# KiCad board data-center-dram-tester.kicad_pcb (continued)
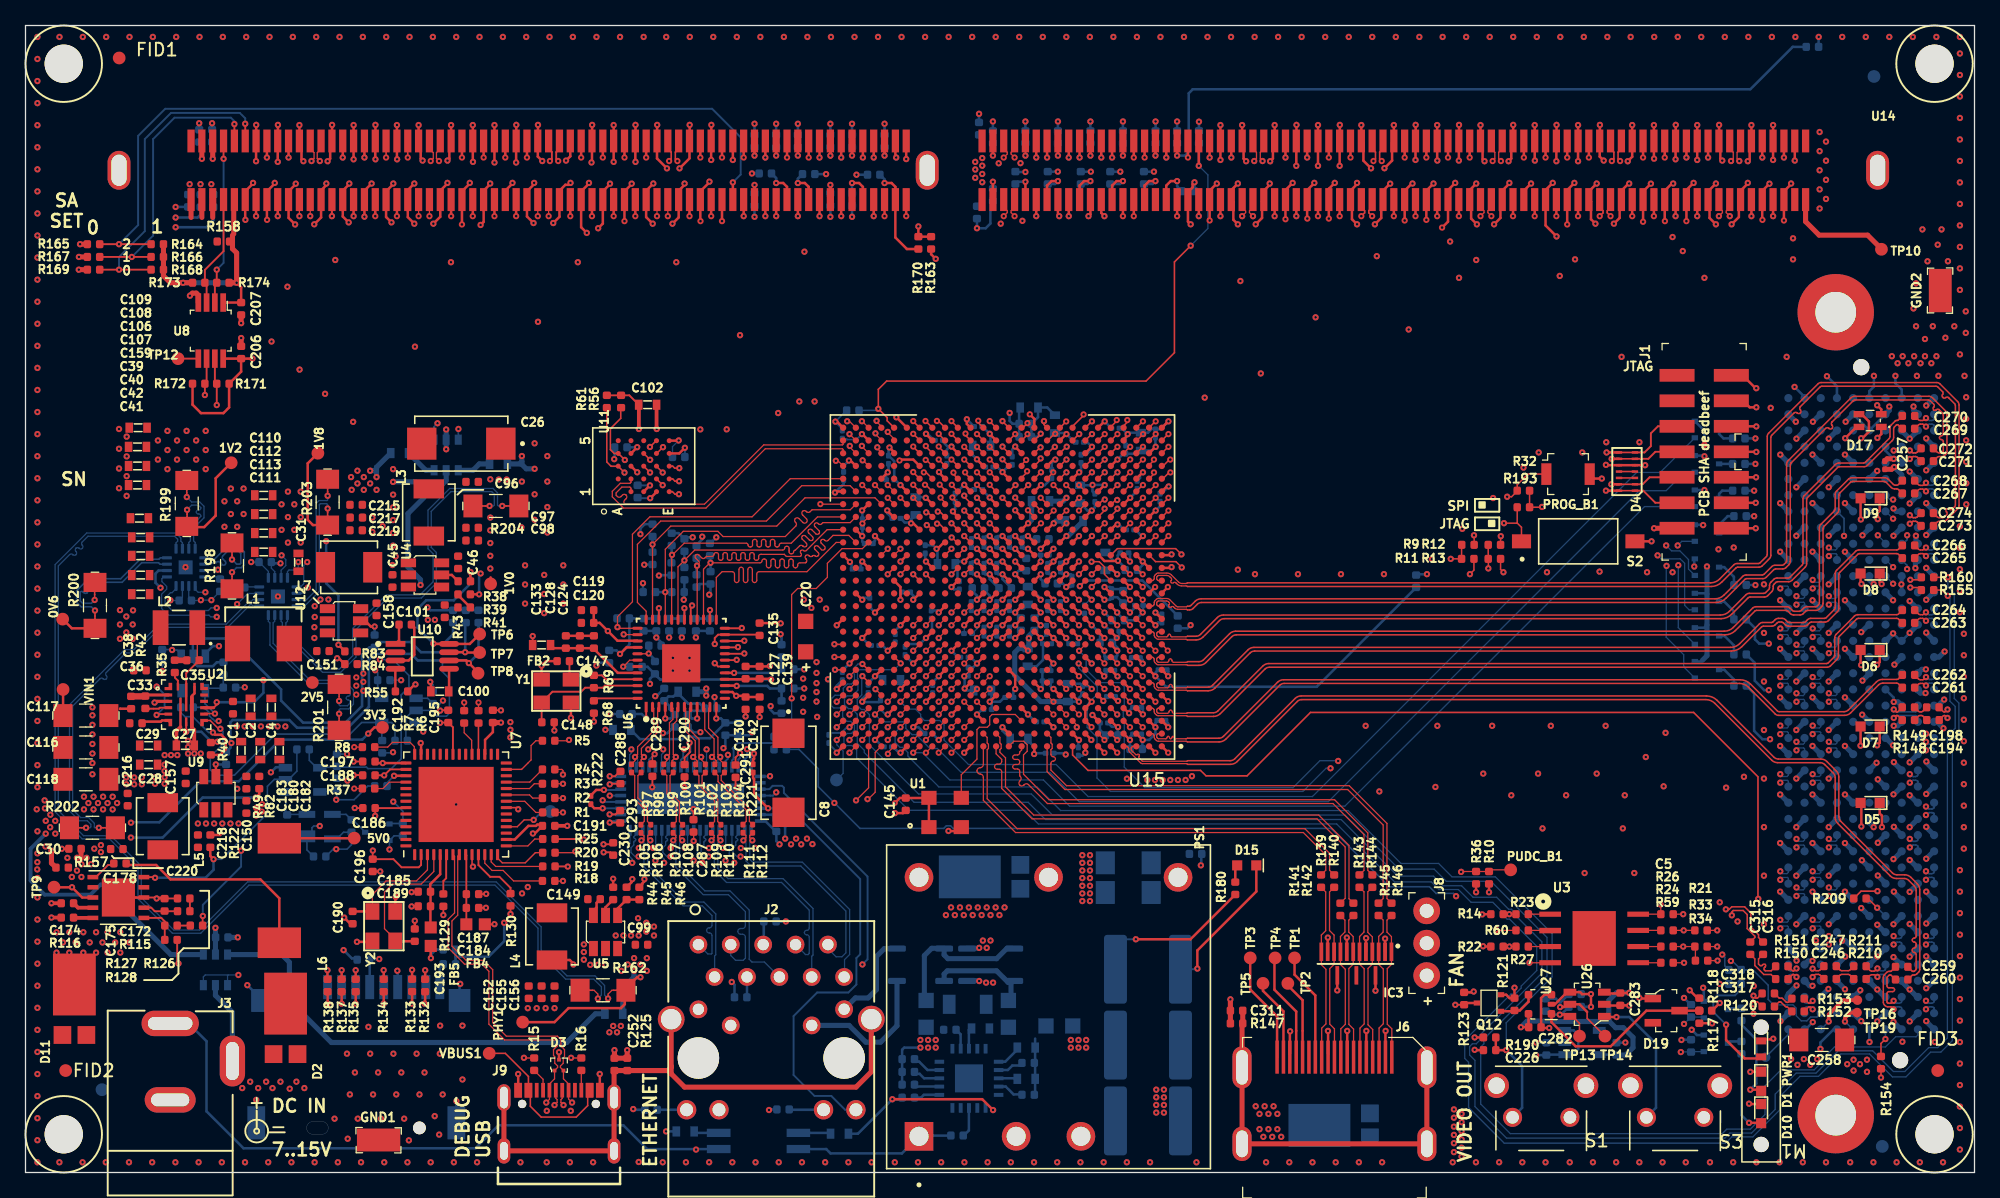
[diagram p0: board, top side]
## Routing (per net, layer and track width the routed paths; a pad name or vN(x,y) marks a point on that pad's centre or on a via; arc(x,y) is an arc through that point) (continued)
  In5.Cu w0.09: v3(74.64,56.94) 74.64,57.24 74.58,57.29 74.18,57.29 73.99,57.1 73.5,57.1 73.05,57.55 73.05,60.46 73.05,60.46
  In5.Cu w0.127: v3(51.14,79.36) 50.95,79.55 50.95,79.83 50.61,80.17 49.88,80.17 49.62,79.91 49.62,78.25 51.21,76.66 51.21,73.55 53.63,71.13 57.07,71.13 60.84,67.36 68.04,67.36 73.05,62.35 73.05,60.46
DQS14_N: length 53.4
  Top w0.127: U15.AE20 70.14,57.46 v2(69.64,57.96)
  Top w0.143: v2(41.14,79.36) 41.29,79.52 41.29,80.07 41.04,80.32 U14.111
  In2.Cu w0.1: v2(69.64,57.96) 69.64,57.69 69.55,57.6 69.39,57.6 69,57.99 69,59.13 arc(69.04,59.24) 69.15,59.28 69.2,59.28 arc(69.31,59.32) 69.35,59.43 arc(69.31,59.54) 69.2,59.58 69.15,59.58 arc(69.04,59.62) 69,59.73 arc(69.04,59.84) 69.15,59.88 69.2,59.88 arc(69.31,59.92) 69.35,60.03 arc(69.31,60.14) 69.2,60.18 69.15,60.18 arc(69.04,60.22) 69,60.33 69,60.48 69.02,60.5
  In2.Cu w0.143: 69.02,60.5 69.02,63.31 65.78,66.55 47.27,66.55 42.21,71.61 42.21,76.85 41.96,77.11 arc(41.91,77.23) 41.96,77.35 42.16,77.56 arc(42.3,77.9) 42.16,78.23 arc(41.83,78.37) 41.49,78.23 41.28,78.03 arc(41.16,77.97) 41.04,78.03 40.96,78.11 arc(40.9,78.25) 40.96,78.39 41.11,78.54 arc(41.17,78.68) 41.11,78.83 arc(40.97,78.88) 40.83,78.83 40.67,78.67 arc(40.53,78.61) 40.39,78.67 40.09,78.98 40.09,79.77 40.42,80.1 41.16,80.1 41.31,79.95 41.31,79.54 v2(41.14,79.36)
DQS14_P: length 53.1
  Top w0.127: U15.AD20 69.64,56.94 v2(69.64,56.96)
  Top w0.143: U14.110 41.89,80.32 41.63,80.07 41.63,79.52 v2(41.79,79.36)
  In2.Cu w0.1: v2(69.64,56.96) 69.64,57.24 69.56,57.31 69.29,57.31 68.73,57.88 68.73,59.43 68.73,59.44 68.73,60.49 68.72,60.5
  In2.Cu w0.143: 68.72,60.5 68.72,63.19 65.66,66.25 47.15,66.25 41.91,71.49 41.91,76.73 41.74,76.89 arc(41.6,77.23) 41.74,77.57 41.95,77.77 arc(42,77.9) 41.95,78.02 arc(41.83,78.07) 41.7,78.02 41.5,77.81 arc(41.16,77.67) 40.82,77.81 39.79,78.85 39.79,79.9 40.29,80.4 41.35,80.4 41.61,80.14 41.61,79.54 v2(41.79,79.36)
DQS15_N: length 65.5
  Top w0.1: U14.122 31.69,80.32 31.99,80.02 31.99,79.56 v3(31.79,79.36)
  Top w0.127: U15.AA18 72.14,53.54 v3(71.71,53.97)
  In5.Cu w0.09: v3(71.71,53.97) 71.95,53.97 72.04,54.06 72.04,54.75 72.07,54.79 72.07,55.13 71.05,56.15 65.98,56.15 65.84,56.3 64.2,56.3 63.24,57.25 62.1,57.25 62.1,57.26
  In5.Cu w0.127: 62.1,57.26 58.23,57.26 52.63,62.86 42.74,62.86 39.19,66.4 arc(39.06,66.73) 39.19,67.07 39.34,67.21 arc(39.39,67.34) 39.34,67.46 arc(39.21,67.52) 39.08,67.46 38.37,66.76 arc(38.04,66.62) 37.71,66.76 arc(37.57,67.09) 37.71,67.42 38.42,68.13 arc(38.47,68.26) 38.42,68.38 arc(38.29,68.44) 38.16,68.38 37.45,67.68 arc(37.12,67.54) 36.79,67.68 arc(36.65,68.01) 36.79,68.34 37.5,69.05 arc(37.55,69.17) 37.5,69.3 arc(37.37,69.36) 37.24,69.3 36.53,68.6 arc(36.2,68.46) 35.87,68.6 arc(35.73,68.93) 35.87,69.26 35.98,69.36 arc(36.03,69.49) 35.98,69.62 32.41,73.19 32.41,77.24 31.97,77.68 31.97,79.18 v3(31.79,79.36)
DQS15_P: length 65.6
  Top w0.1: v3(32.44,79.36) 32.24,79.56 32.24,80.02 32.54,80.32 U14.121
  Top w0.127: U15.AA17 72.66,53.91 v3(72.66,53.96)
  In5.Cu w0.09: 62.1,57.54 62.1,57.54 63.36,57.54 64.32,56.59 65.96,56.59 66.09,56.45 71.14,56.45 72.34,55.25 72.34,54.67 72.33,54.65 72.33,54.02 72.39,53.96 v3(72.66,53.96)
  In5.Cu w0.127: v3(32.44,79.36) 32.25,79.18 32.25,77.8 32.69,77.36 32.69,73.31 36.18,69.82 arc(36.32,69.49) 36.18,69.16 36.07,69.05 arc(36.02,68.93) 36.07,68.8 arc(36.2,68.75) 36.33,68.8 37.04,69.51 arc(37.37,69.64) 37.7,69.51 arc(37.84,69.17) 37.7,68.84 36.99,68.14 arc(36.94,68.01) 36.99,67.88 arc(37.12,67.83) 37.25,67.88 37.96,68.59 arc(38.29,68.72) 38.62,68.59 arc(38.76,68.26) 38.62,67.92 37.91,67.22 arc(37.86,67.09) 37.91,66.96 arc(38.04,66.91) 38.17,66.96 38.88,67.67 arc(39.21,67.8) 39.54,67.67 arc(39.68,67.34) 39.54,67 39.4,66.86 arc(39.34,66.73) 39.4,66.61 42.86,63.14 52.75,63.14 58.35,57.54 61.39,57.54 arc(61.44,57.56) 61.47,57.61 arc(61.49,57.67) 61.54,57.69 61.62,57.69 arc(61.67,57.67) 61.69,57.61 arc(61.71,57.56) 61.76,57.54 62.1,57.54
DQS16_N: length 78.2
  Top w0.1: v1(22.44,79.36) 22.64,79.56 22.64,80.02 22.34,80.32
  Top w0.127: U15.W16 v1(73.64,51.94)
  In9.Cu w0.1: v1(73.64,51.94) 73.93,51.94 74,52.01 74,52.16 73.77,52.39 73.28,52.39 72.56,53.1 72.56,55.73 71.08,57.22 71.08,60.59 71.06,60.61
  In9.Cu w0.143: 71.06,60.61 71.06,63.06 69.77,64.35 56.24,64.35 55.19,65.4 54.83,65.4 arc(54.49,65.54) 54.35,65.88 54.35,66.05 arc(54.29,66.19) 54.15,66.25 54.05,66.25 arc(53.91,66.19) 53.85,66.05 53.85,65.9 53.85,65.9 53.85,65.15 arc(53.7,64.8) 53.35,64.65 53.25,64.65 arc(52.9,64.8) 52.75,65.15 52.75,66.1 arc(52.69,66.24) 52.55,66.3 52.45,66.3 arc(52.31,66.24) 52.25,66.1 52.25,65.95 arc(52.1,65.6) 51.75,65.45 29.14,65.45 23.1,71.49 23.1,76.19 22.61,76.68 22.61,79.19 v1(22.44,79.36)
DQS16_P: length 79.7
  Top w0.1: v1(23.09,79.36) 22.89,79.56 22.89,80.02 23.19,80.32
  Top w0.127: U15.W15 v1(74.64,51.94)
  In9.Cu w0.1: 71.36,60.61 71.35,60.6 71.35,57.33 72.84,55.85 72.84,53.22 73.4,52.66 73.89,52.66 74.27,52.27 74.27,52 74.33,51.94 v1(74.64,51.94)
  In9.Cu w0.143: 71.36,60.61 71.36,60.83 arc(71.41,60.93) 71.51,60.98 71.59,60.98 arc(71.7,61.02) 71.74,61.13 arc(71.7,61.23) 71.59,61.28 71.51,61.28 arc(71.41,61.32) 71.36,61.43 arc(71.41,61.53) 71.51,61.58 71.59,61.58 arc(71.7,61.62) 71.74,61.73 arc(71.7,61.83) 71.59,61.88 71.51,61.88 arc(71.41,61.92) 71.36,62.03 arc(71.41,62.13) 71.51,62.18 71.59,62.18 arc(71.7,62.22) 71.74,62.33 arc(71.7,62.43) 71.59,62.48 71.51,62.48 arc(71.41,62.52) 71.36,62.63 71.36,63.18 69.89,64.65 56.36,64.65 55.31,65.7 54.84,65.7 arc(54.7,65.76) 54.65,65.89 54.65,66.05 arc(54.5,66.41) 54.15,66.55 54.05,66.55 arc(53.7,66.41) 53.55,66.05 53.55,65.15 arc(53.49,65.01) 53.35,64.95 53.25,64.95 arc(53.11,65.01) 53.05,65.15 53.05,66.1 arc(52.9,66.46) 52.55,66.6 52.45,66.6 arc(52.1,66.46) 51.95,66.1 51.95,65.95 arc(51.89,65.81) 51.75,65.75 29.26,65.75 23.4,71.61 23.4,76.31 22.91,76.8 22.91,79.19 v1(23.09,79.36)
DQS17_N: length 59
  Top w0.1: v1(96.39,79.36) 96.56,79.54 96.56,80.05 96.29,80.32 U14.52
  Top w0.127: v1(72.64,46.94) U15.R17
  In7.Cu w0.09: v1(72.64,46.94) 72.92,46.94 72.96,46.98 72.96,47.54 72.91,47.59 72.81,47.59 72.72,47.68 72.72,47.78 72.65,47.85 72.55,47.85 72.44,47.96 72.44,48.06 71.93,48.58 71.93,51.32 72.01,51.4 72.01,53.62 72.38,53.98 72.38,56 71.87,56.51 71.87,57.27 72.25,57.66 72.25,60.42 72.21,60.46 72.21,60.51
  In7.Cu w0.166: 72.21,60.51 72.21,64.08 74.13,66.01 arc(74.45,66.22) 74.82,66.3 76.61,66.3 arc(76.69,66.31) 76.76,66.36 76.98,66.58 arc(77.12,66.67) 77.28,66.71 78.01,66.71 arc(78.17,66.67) 78.31,66.58 78.54,66.35 arc(78.6,66.31) 78.68,66.3 79.14,66.3 arc(79.21,66.31) 79.28,66.35 79.51,66.58 arc(79.64,66.67) 79.81,66.71 80.53,66.71 arc(80.69,66.67) 80.83,66.58 81.06,66.35 arc(81.12,66.31) 81.2,66.29 81.66,66.29 arc(81.74,66.31) 81.8,66.35 82.03,66.58 arc(82.17,66.67) 82.33,66.7 83.09,66.7 arc(83.25,66.67) 83.39,66.58 83.62,66.35 arc(83.68,66.31) 83.76,66.29 84.18,66.29 arc(84.26,66.31) 84.32,66.35 84.55,66.58 arc(84.69,66.67) 84.85,66.7 85.61,66.7 arc(85.78,66.67) 85.91,66.58 86.14,66.35 arc(86.21,66.31) 86.28,66.29 86.94,66.29 arc(87.02,66.31) 87.09,66.35 87.31,66.58 arc(87.45,66.67) 87.61,66.7 88.38,66.7 arc(88.54,66.67) 88.68,66.58 88.9,66.35 arc(88.97,66.31) 89.04,66.29 89.61,66.29 arc(89.69,66.31) 89.75,66.35 89.98,66.58 arc(90.12,66.67) 90.28,66.7 91.04,66.7 arc(91.21,66.67) 91.34,66.58 91.57,66.35 arc(91.64,66.31) 91.71,66.29 92.16,66.29 arc(92.42,66.35) 92.65,66.5 96.96,70.81 96.96,76.16 96.52,76.61 96.52,79.24 v1(96.39,79.36)
DQS17_P: length 58.9
  Top w0.1: v1(97.04,79.36) 96.86,79.54 96.86,80.05 97.14,80.32 U14.51
  Top w0.127: v1(73.64,46.94) U15.R16
  In7.Cu w0.09: v1(73.64,46.94) 73.36,46.94 73.28,47.02 73.28,47.63 72.22,48.7 72.22,51.2 72.3,51.28 72.3,53.5 72.66,53.86 72.66,56.12 72.16,56.63 72.16,57.15 72.54,57.54 72.54,60.41 72.6,60.46 72.6,60.5
  In7.Cu w0.166: 72.6,60.5 72.6,63.92 74.36,65.68 arc(74.6,65.85) 74.89,65.9 76.68,65.9 76.68,65.91 arc(76.85,65.94) 76.98,66.03 77.21,66.26 arc(77.28,66.3) 77.35,66.32 77.94,66.32 arc(78.01,66.3) 78.08,66.26 78.31,66.03 arc(78.45,65.94) 78.61,65.9 79.21,65.9 arc(79.37,65.94) 79.51,66.03 79.73,66.26 arc(79.8,66.3) 79.87,66.31 80.46,66.31 arc(80.54,66.3) 80.6,66.26 80.83,66.03 arc(80.97,65.94) 81.13,65.9 81.73,65.9 arc(81.89,65.94) 82.03,66.03 82.26,66.26 arc(82.32,66.3) 82.4,66.31 83.02,66.31 arc(83.1,66.3) 83.16,66.26 83.39,66.03 arc(83.53,65.94) 83.69,65.9 84.25,65.9 arc(84.41,65.94) 84.55,66.03 84.78,66.25 arc(84.84,66.3) 84.92,66.31 85.54,66.31 arc(85.62,66.3) 85.69,66.25 85.91,66.03 arc(86.05,65.93) 86.21,65.9 87.01,65.9 arc(87.18,65.93) 87.31,66.03 87.54,66.25 arc(87.61,66.3) 87.68,66.31 88.31,66.31 arc(88.38,66.3) 88.45,66.25 88.74,65.96 arc(88.81,65.92) 88.88,65.9 89.68,65.9 arc(89.84,65.93) 89.98,66.03 90.21,66.25 arc(90.27,66.3) 90.35,66.31 90.98,66.31 arc(91.05,66.3) 91.12,66.25 91.41,65.96 arc(91.48,65.92) 91.55,65.9 92.23,65.9 arc(92.58,65.97) 92.88,66.17 97.36,70.65 97.36,76.32 96.91,76.77 96.91,79.24 v1(97.04,79.36)
EMCCLK: length 4.3
  Top w0.1: U15.B26 v1(63.64,33.94)
  Bottom w0.1: EMCCLK1.1 64.14,31.32 64.14,33.06 63.64,33.56 v1(63.64,33.94)
ETH_INT_N: length 34.7
  Top w0.1: U6.38 47.01,42.2
  Top w0.127: U15.Y20 v2(69.64,52.94)
  In2.Cu w0.1: v2(69.64,52.94) 69.26,52.94 68.84,53.36 68.57,53.36 68.12,53.81 68.12,54.05 67.67,54.5 67.2,54.5 66.8,54.9 64.7,54.9 64.4,55.2 57.7,55.2 54.64,52.14 54.64,45.67 52.36,43.4 48.09,43.4 v1(46.92,42.23)
ETH_MDC: length 25.4
  Top w0.1: U6.36 48.69,44.04 48,44.73 48,49.29 49.83,51.12 58.12,51.12 60.89,53.89 64.69,53.89 U15.AA25
ETH_MDIO: length 28.4
  Top w0.1: U15.AB26 59.99,54.44 57,51.45 48.98,51.45 47.61,50.08 47.61,44.78 46.44,43.61 v1(46.44,42.79) 46.52,42.7 U6.37
  Bottom w0.1: v1(46.44,42.79) 46.44,43.44
ETH_REF_CLK: length 30.6
  Top w0.1: v1(48.89,40.73) 48.69,40.73 48.66,40.7 U6.41 ; U15.AA23 v2(66.64,53.94)
  In2.Cu w0.1: v1(48.89,40.73) 49.6,41.44 52.89,41.44 55.8,44.35 55.8,51.3 58.82,54.33 65.23,54.33 65.26,54.36 66.24,54.36 66.64,53.96 v2(66.64,53.94)
  Bottom w0.2: 48.89,41.33 v1(48.89,40.73) 49.39,40.23
ETH_RSTN: length 34.3
  Top w0.1: U15.AA22 v2(67.64,53.94) ; U6.42 47.4,40.2 v1(46.89,39.69)
  In2.Cu w0.1: v2(67.64,53.94) 67.23,53.94 66.57,54.6 64.4,54.6 64.3,54.7 58.2,54.7 55.2,51.7 55.2,44.5 53.14,42.44 49.28,42.44 46.89,40.04 v1(46.89,39.69)
  Bottom w0.2: v1(46.89,39.69) 46.9,39.68 R79.1
ETH_RX_CLK: length 26.8
  Top w0.1: U6.35 v1(49.19,49.28) 49.19,49.29 50.62,50.72 58.93,50.72 61.15,52.94 66.64,52.94 U15.Y23
  Bottom w0.2: R93.1 R75.1
ETH_RX_DV: length 25.4
  Top w0.1: U15.Y25 64.7,52 61.7,52 61.55,51.85 arc(61.41,51.79) 61.27,51.85 61.24,51.88 arc(61.1,51.94) 60.96,51.88 arc(60.9,51.74) 60.96,51.6 61.26,51.29 arc(61.32,51.15) 61.26,51.01 61.26,51 arc(61.12,50.95) 60.98,51 60.67,51.31 arc(60.53,51.37) 60.39,51.31 arc(60.33,51.17) 60.39,51.03 60.42,51 arc(60.48,50.86) 60.42,50.72 59.6,49.9 54.72,49.9 54.31,50.31 51.6,50.31 50.19,48.9 U6.33
  Bottom w0.2: R74.1 v1(50.19,45.54) R92.1
ETH_RXD0: length 24.1
  Top w0.1: U6.32 50.69,48.4 51.67,49.38 56.53,49.38 arc(56.64,49.34) 56.68,49.23 arc(56.72,49.13) 56.83,49.09 56.88,49.09 arc(56.99,49.13) 57.03,49.23 57.03,49.53 arc(57.07,49.63) 57.18,49.67 57.23,49.67 arc(57.34,49.63) 57.38,49.53 57.38,49.23 arc(57.42,49.13) 57.53,49.09 57.58,49.09 arc(57.69,49.13) 57.73,49.23 57.73,49.53 arc(57.77,49.63) 57.88,49.67 57.93,49.67 arc(58.04,49.63) 58.08,49.53 58.08,49.23 arc(58.12,49.13) 58.23,49.09 58.28,49.09 arc(58.39,49.13) 58.43,49.23 58.43,49.53 arc(58.47,49.63) 58.58,49.67 58.63,49.67 arc(58.74,49.63) 58.78,49.53 58.78,49.38 58.78,49.38 58.78,49.23 arc(58.83,49.13) 58.93,49.09 58.99,49.09 arc(59.09,49.13) 59.13,49.23 arc(59.18,49.34) 59.28,49.38 60.07,49.38 62.13,51.44 U15.W26
  Bottom w0.2: R70.1 50.69,48.53 ; R77.1 50.67,48.42 v1(50.71,48.46)
ETH_RXD1: length 25.4
  Top w0.1: U6.31 51.19,47.53 52.5,48.84 59.4,48.84 arc(59.5,48.88) 59.55,48.99 arc(59.59,49.09) 59.69,49.13 59.75,49.13 arc(59.85,49.09) 59.9,48.99 59.9,48.84 59.9,48.84 59.9,48.69 arc(59.94,48.59) 60.05,48.55 60.1,48.55 arc(60.21,48.59) 60.25,48.69 arc(60.29,48.8) 60.4,48.84 60.72,49.16 arc(60.84,49.22) 60.97,49.16 61,49.13 arc(61.12,49.08) 61.25,49.13 arc(61.3,49.26) 61.25,49.38 60.94,49.69 arc(60.89,49.81) 60.94,49.94 arc(61.06,49.99) 61.19,49.94 61.49,49.63 arc(61.62,49.58) 61.74,49.63 arc(61.79,49.75) 61.74,49.88 61.43,50.18 arc(61.38,50.31) 61.43,50.43 arc(61.56,50.48) 61.68,50.43 61.99,50.12 arc(62.11,50.07) 62.24,50.12 arc(62.29,50.25) 62.24,50.37 61.93,50.68 arc(61.88,50.8) 61.93,50.93 arc(62.05,50.98) 62.18,50.93 62.21,50.9 arc(62.33,50.85) 62.45,50.9 62.55,50.99 64.69,50.99 U15.W25
  Bottom w0.2: R89.1 v1(51.69,48.03) R71.1
ETH_RXD2: length 24.3
  Top w0.1: U15.V26 62.89,50.44 61.25,48.8 arc(61.14,48.76) 61.04,48.8 arc(60.93,48.85) 60.82,48.8 arc(60.78,48.7) 60.82,48.59 arc(60.87,48.48) 60.82,48.38 60.79,48.34 59.68,48.34 59.53,48.5 57.66,48.5 arc(57.55,48.46) 57.51,48.35 57.51,48.19 arc(57.47,48.08) 57.36,48.04 57.31,48.04 arc(57.2,48.08) 57.16,48.19 57.16,48.49 arc(57.12,48.6) 57.01,48.64 56.96,48.64 arc(56.85,48.6) 56.81,48.49 56.81,48.19 arc(56.77,48.08) 56.66,48.04 56.61,48.04 arc(56.5,48.08) 56.46,48.19 56.46,48.49 arc(56.42,48.6) 56.31,48.64 56.26,48.64 arc(56.15,48.6) 56.11,48.49 56.11,48.19 arc(56.07,48.08) 55.96,48.04 55.91,48.04 arc(55.8,48.08) 55.76,48.19 55.76,48.49 arc(55.72,48.6) 55.61,48.64 55.56,48.64 arc(55.45,48.6) 55.41,48.49 55.41,48.19 arc(55.37,48.08) 55.26,48.04 55.21,48.04 arc(55.1,48.08) 55.06,48.19 55.06,48.49 arc(55.02,48.6) 54.91,48.64 54.86,48.64 arc(54.75,48.6) 54.71,48.49 54.71,48.19 arc(54.67,48.08) 54.56,48.04 54.51,48.04 arc(54.4,48.08) 54.36,48.19 54.36,48.49 arc(54.32,48.6) 54.21,48.64 54.16,48.64 arc(54.05,48.6) 54.01,48.49 arc(53.97,48.38) 53.86,48.34 53.41,48.34 53.3,48.22 arc(53.17,48.17) 53.05,48.22 52.82,48.45 arc(52.7,48.5) 52.57,48.45 arc(52.52,48.33) 52.57,48.2 52.8,47.98 arc(52.85,47.85) 52.8,47.73 52.69,47.61 U6.28
  Bottom w0.2: R90.1 R72.1
  vias: v1(52.68,47.61)
ETH_RXD3: length 25.3
  Top w0.1: U15.U25 64.59,49.99 63.35,49.99 62.95,49.6 arc(62.83,49.55) 62.71,49.6 62.67,49.63 arc(62.55,49.68) 62.42,49.63 arc(62.37,49.51) 62.42,49.38 62.69,49.12 arc(62.73,49.02) 62.69,48.91 62.65,48.87 arc(62.54,48.83) 62.44,48.87 62.18,49.14 arc(62.05,49.19) 61.93,49.14 arc(61.88,49.01) 61.93,48.89 62.19,48.63 arc(62.24,48.52) 62.19,48.42 62.15,48.38 arc(62.05,48.33) 61.94,48.38 arc(61.84,48.42) 61.73,48.38 arc(61.61,48.33) 61.49,48.38 61.45,48.41 arc(61.33,48.46) 61.21,48.41 arc(61.15,48.29) 61.21,48.16 61.24,48.13 arc(61.29,48.01) 61.24,47.88 61.2,47.84 60.75,47.84 arc(60.62,47.79) 60.57,47.66 60.57,47.62 arc(60.52,47.49) 60.4,47.44 arc(60.27,47.49) 60.22,47.62 60.22,47.99 arc(60.18,48.09) 60.07,48.14 60.02,48.14 arc(59.91,48.09) 59.87,47.99 59.87,47.62 arc(59.82,47.49) 59.7,47.44 arc(59.57,47.49) 59.52,47.62 59.52,47.99 arc(59.48,48.09) 59.37,48.14 59.32,48.14 arc(59.21,48.09) 59.17,47.99 59.17,47.62 arc(59.12,47.49) 59,47.44 arc(58.87,47.49) 58.82,47.62 58.82,47.99 arc(58.78,48.09) 58.67,48.14 58.62,48.14 arc(58.51,48.09) 58.47,47.99 58.47,47.62 arc(58.42,47.49) 58.3,47.44 arc(58.17,47.49) 58.12,47.62 58.12,47.99 arc(58.08,48.09) 57.97,48.14 57.92,48.14 arc(57.81,48.09) 57.77,47.99 arc(57.73,47.88) 57.62,47.84 53.69,47.84 53.19,47.34 U6.27
  Bottom w0.2: 53.74,48.29 v1(53.74,47.84) R91.1
ETH_SEL: length 19.7
  Top w0.1: v1(60.1,37.2) 60.1,45.35 60.57,45.83 62.03,45.83 62.9,46.7 62.9,47.8 64.05,48.95 65.65,48.95 U15.U24
  Bottom w0.1: R206.1 59.69,34.23 60.1,34.65 v1(60.1,37.2)
ETH_TX_CLK: length 21.8
  Top w0.1: U15.AA24 v2(65.64,53.94)
  Top w0.15: v1(56.19,42.73) 56.16,42.7 U6.24
  In2.Cu w0.1: v1(56.19,42.73) 56.4,42.94 56.4,50.9 58.39,52.89 arc(58.52,52.94) 58.64,52.89 58.65,52.88 arc(58.77,52.83) 58.9,52.88 arc(58.95,53.01) 58.9,53.13 58.63,53.4 arc(58.58,53.52) 58.63,53.65 arc(58.75,53.7) 58.88,53.65 58.89,53.64 arc(59.01,53.58) 59.13,53.64 59.25,53.75 62.93,53.75 63.11,53.94 v2(65.64,53.94)
ETH_TX_EN: length 20
  Top w0.1: U6.25 54.19,46.69 54.64,47.14 55.44,47.14 arc(55.56,47.09) 55.62,46.97 55.62,46.46 arc(55.67,46.34) 55.79,46.29 arc(55.91,46.34) 55.97,46.46 55.97,47.32 arc(56.02,47.44) 56.14,47.49 arc(56.26,47.44) 56.31,47.32 56.31,46.46 arc(56.37,46.34) 56.49,46.29 arc(56.61,46.34) 56.66,46.46 56.66,47.32 arc(56.72,47.44) 56.84,47.49 arc(56.96,47.44) 57.01,47.32 57.01,46.46 arc(57.07,46.34) 57.19,46.29 arc(57.31,46.34) 57.37,46.46 57.37,46.97 arc(57.42,47.09) 57.54,47.14 61.29,47.14 63.59,49.44 U15.U26
ETH_TXD0: length 21.8
  Top w0.1: U15.W24 65.65,50.95 v2(65.65,50.92)
  Top w0.15: v1(55.79,40.23) 55.76,40.2 U6.19
  In2.Cu w0.1: v2(65.65,50.92) 64.64,51.94 61.44,51.94 61.36,51.86 arc(61.29,51.7) 61.36,51.54 61.36,51.54 arc(61.43,51.38) 61.36,51.22 arc(61.2,51.16) 61.04,51.22 61.04,51.22 arc(60.88,51.29) 60.72,51.22 58.78,49.28 58.78,41.58 57.42,40.23 v1(55.79,40.23)
ETH_TXD1: length 18.9
  Top w0.1: U15.Y26 62.36,52.44 v2(62.35,52.45)
  Top w0.15: v1(56.39,40.73) 56.36,40.7 U6.20
  In2.Cu w0.1: v2(62.35,52.45) 60.95,52.45 60.83,52.33 arc(60.8,52.26) 60.83,52.19 60.85,52.17 arc(60.88,52.1) 60.85,52.02 arc(60.78,52) 60.71,52.02 60.69,52.05 arc(60.62,52.08) 60.55,52.05 58.2,49.7 58.2,42 56.92,40.73 v1(56.39,40.73)
ETH_TXD2: length 23.4
  Top w0.1: U15.Y22 v2(67.64,52.94)
  Top w0.15: v1(55.89,41.23) 55.86,41.2 U6.21
  In2.Cu w0.1: v1(55.89,41.23) 56.55,41.23 57.6,42.27 57.6,50.1 60.44,52.94 62.56,52.94 63.07,52.42 64.71,52.42 65.22,52.94 v2(67.64,52.94)
ETH_TXD3: length 25.1
  Top w0.127: U15.Y21 v2(68.64,52.94)
  Top w0.15: v1(56.39,41.73) 56.36,41.7 U6.22
  In2.Cu w0.1: v1(56.39,41.73) 57,42.34 57,50.5 59.31,52.81 arc(59.4,52.85) 59.49,52.81 59.49,52.81 arc(59.58,52.77) 59.67,52.81 arc(59.7,52.9) 59.67,52.99 59.66,52.99 arc(59.63,53.08) 59.66,53.17 59.86,53.36 62.66,53.36 63.27,52.75 64.07,52.75 64.76,53.44 68.14,53.44 v2(68.64,52.94)
EXT_ETH1_N: length 104.9
  In7.Cu w0.1: v1(140.19,19.82) 140.01,19.64 139.84,19.64 138.93,20.55 135.76,20.55 131.94,24.37 96.19,24.37 94.83,23.01 92.93,23.01 91.32,21.4 88.22,21.4 83.76,16.94 71.15,16.94 67.01,21.08 51.52,21.08 48.57,24.04 arc(48.53,24.13) 48.57,24.22 48.57,24.22 arc(48.61,24.31) 48.57,24.39 arc(48.48,24.43) 48.39,24.39 48.39,24.39 arc(48.3,24.36) 48.21,24.39 48.09,24.51 v1(48.09,24.8)
  Bottom w0.1: v1(48.09,24.8) 47.81,24.8 47.5,25.1 47.5,25.48 47.71,25.69 47.71,25.94 arc(47.74,25.99) 47.79,26.01 arc(47.84,26.03) 47.86,26.09 47.86,26.14 arc(47.84,26.19) 47.79,26.21 arc(47.74,26.23) 47.71,26.29 47.71,26.34 47.91,26.54 U16.47 ; v1(140.19,19.82) 140.37,19.64 140.72,19.64 140.82,19.75 J5.H8
EXT_ETH1_P: length 104.8
  In7.Cu w0.1: v1(140.19,19.16) 140.01,19.34 139.72,19.34 138.81,20.25 135.64,20.25 131.82,24.07 96.31,24.07 94.95,22.71 93.05,22.71 91.44,21.1 88.34,21.1 83.88,16.64 71.03,16.64 66.89,20.78 51.4,20.78 47.88,24.3 v1(47.6,24.3)
  Bottom w0.1: U16.48 47.41,25.82 47.2,25.6 47.2,24.98 47.6,24.58 v1(47.6,24.3) ; v1(140.19,19.16) 140.37,19.34 140.75,19.34 140.82,19.27 J5.H7
EXT_ETH2_N: length 104.8
  In7.Cu w0.1: v1(50.59,24.8) 50.59,24.51 50.8,24.3 arc(50.89,24.27) 50.98,24.3 50.98,24.31 arc(51.07,24.34) 51.16,24.31 arc(51.2,24.22) 51.16,24.13 51.16,24.13 arc(51.12,24.04) 51.16,23.95 52.43,22.67 67.63,22.67 70.87,19.43 77.66,19.43 arc(78.03,19.28) 78.19,18.91 78.19,18.75 arc(78.25,18.59) 78.41,18.52 arc(78.57,18.59) 78.63,18.75 78.63,19.81 arc(78.79,20.18) 79.16,20.34 arc(79.53,20.18) 79.69,19.81 79.69,19.66 arc(79.75,19.5) 79.91,19.43 83.58,19.43 89.27,25.12 94.78,25.12 95.06,25.4 132.5,25.4 135.51,22.39 136.53,22.39 137.34,21.58 138.39,21.58 138.69,21.27 140.06,21.27 140.97,22.18 141.28,22.18 v1(141.46,22.36)
  Bottom w0.1: J5.G10 142.09,22.28 141.99,22.18 141.64,22.18 v1(141.46,22.36) ; U16.42 50.41,26.54 50.21,26.34 50.21,26.29 arc(50.24,26.23) 50.29,26.21 arc(50.34,26.19) 50.36,26.14 50.36,26.09 arc(50.34,26.03) 50.29,26.01 arc(50.24,25.99) 50.21,25.94 50.21,25.69 50,25.48 50,25.1 50.31,24.8 v1(50.59,24.8)
EXT_ETH2_P: length 104.8
  In7.Cu w0.1: v1(50.1,24.3) 50.38,24.3 52.31,22.37 67.51,22.37 70.75,19.13 77.66,19.13 arc(77.82,19.06) 77.88,18.91 77.88,18.75 arc(78.04,18.38) 78.41,18.22 arc(78.78,18.38) 78.94,18.75 78.94,19.81 arc(79,19.97) 79.16,20.04 arc(79.32,19.97) 79.38,19.81 79.38,19.66 arc(79.54,19.28) 79.91,19.13 83.7,19.13 89.4,24.83 94.91,24.83 95.18,25.1 132.38,25.1 135.38,22.09 136.4,22.09 137.22,21.28 138.26,21.28 138.57,20.97 140.19,20.97 141.09,21.88 141.28,21.88 v1(141.46,21.7)
  Bottom w0.1: v1(50.1,24.3) 50.1,24.58 49.7,24.98 49.7,25.6 49.91,25.82 U16.43 ; J5.G9 142.09,21.81 142.02,21.88 141.64,21.88 v1(141.46,21.7)
EXT_ETH3_N: length 104.8
  In7.Cu w0.1: v1(140.19,23.63) 140.01,23.45 139.84,23.45 139.57,23.71 139.57,23.99 139.19,24.38 135.84,24.38 133.69,26.52 94.51,26.52 94.19,26.2 87.84,26.2 87.36,25.72 80.01,25.72 78.43,24.14 78.43,23.35 78.12,23.04 77.24,23.04 arc(77.05,23.12) 76.97,23.31 76.97,23.58 arc(76.8,23.98) 76.39,24.15 arc(75.98,23.98) 75.81,23.58 75.81,22.2 arc(75.73,22.01) 75.54,21.93 arc(75.35,22.01) 75.26,22.2 75.26,23.58 arc(75.1,23.98) 74.69,24.15 arc(74.28,23.98) 74.12,23.58 74.12,22.2 arc(74.03,22.01) 73.84,21.93 arc(73.65,22.01) 73.56,22.2 73.56,22.47 arc(73.4,22.87) 72.99,23.04 72.2,23.04 72.05,23.19 72.05,24.61 70.94,25.72 68.91,25.72 67.06,23.87 58.89,23.87 58.64,23.62 54.48,23.62 54.08,24.02 arc(54.06,24.09) 54.08,24.16 54.1,24.17 arc(54.13,24.24) 54.1,24.32 arc(54.03,24.34) 53.96,24.32 53.94,24.3 arc(53.87,24.27) 53.8,24.3 53.59,24.51 v1(53.59,24.8)
  Bottom w0.1: J5.H11 140.82,23.56 140.72,23.45 140.37,23.45 v1(140.19,23.63) ; U16.36 53.41,26.54 53.21,26.34 53.21,26.29 arc(53.24,26.23) 53.29,26.21 arc(53.34,26.19) 53.36,26.14 53.36,26.09 arc(53.34,26.03) 53.29,26.01 arc(53.24,25.99) 53.21,25.94 53.21,25.69 53,25.48 53,25.1 53.31,24.8 v1(53.59,24.8)
EXT_ETH3_P: length 104.8
  In7.Cu w0.1: v1(53.1,24.3) 53.38,24.3 54.36,23.32 58.76,23.32 59.01,23.57 67.18,23.57 69.03,25.42 70.82,25.42 71.75,24.49 71.75,23.07 72.08,22.74 72.99,22.74 arc(73.18,22.66) 73.26,22.47 73.26,22.2 arc(73.43,21.8) 73.84,21.63 arc(74.25,21.8) 74.41,22.2 74.41,23.58 arc(74.5,23.77) 74.69,23.85 arc(74.88,23.77) 74.97,23.58 74.97,22.2 arc(75.13,21.8) 75.54,21.63 arc(75.95,21.8) 76.12,22.2 76.12,23.58 arc(76.2,23.77) 76.39,23.85 arc(76.58,23.77) 76.66,23.58 76.66,23.31 arc(76.83,22.91) 77.24,22.74 78.24,22.74 78.73,23.23 78.73,24.02 80.13,25.42 87.48,25.42 87.96,25.9 94.31,25.9 94.63,26.22 133.57,26.22 135.71,24.08 139.06,24.08 139.28,23.86 139.28,23.59 139.71,23.15 140.01,23.15 v1(140.19,22.97)
  Bottom w0.1: U16.37 52.91,25.82 52.7,25.6 52.7,24.98 53.1,24.58 v1(53.1,24.3) ; v1(140.19,22.97) 140.37,23.15 140.75,23.15 140.82,23.08 J5.H10
EXT_ETH4_N: length 104.8
  In7.Cu w0.1: v1(141.46,26.17) 141.28,25.99 141.03,25.99 140.11,25.08 138.56,25.08 138.23,25.4 136.96,25.4 134.57,27.79 94.49,27.79 93.92,27.22 78.82,27.22 78,26.4 77.54,26.4 arc(77.19,26.25) 77.04,25.9 77.04,25.49 arc(76.98,25.35) 76.84,25.29 arc(76.7,25.35) 76.64,25.49 76.64,27.01 arc(76.49,27.36) 76.14,27.51 arc(75.79,27.36) 75.64,27.01 75.64,25.49 arc(75.58,25.35) 75.44,25.29 arc(75.3,25.35) 75.24,25.49 75.24,27.01 arc(75.09,27.36) 74.74,27.51 arc(74.39,27.36) 74.24,27.01 74.24,25.49 arc(74.18,25.35) 74.04,25.29 arc(73.9,25.35) 73.84,25.49 73.84,27.01 arc(73.69,27.36) 73.34,27.51 arc(72.99,27.36) 72.84,27.01 72.84,26.6 arc(72.78,26.46) 72.64,26.4 72,26.4 71.18,27.22 68.1,27.22 65.73,24.85 58.59,24.85 58.14,24.4 56.85,24.4 arc(56.78,24.43) 56.75,24.5 56.75,24.52 arc(56.72,24.59) 56.65,24.62 arc(56.58,24.59) 56.55,24.52 56.55,24.5 arc(56.52,24.43) 56.45,24.4 56.2,24.4 56.09,24.51 v1(56.09,24.8)
  Bottom w0.1: J5.G13 142.09,26.09 141.99,25.99 141.64,25.99 v1(141.46,26.17) ; v1(56.09,24.8) 55.81,24.8 55.5,25.1 55.5,25.48 55.71,25.69 55.71,25.94 arc(55.74,25.99) 55.79,26.01 arc(55.84,26.03) 55.86,26.09 55.86,26.14 arc(55.84,26.19) 55.79,26.21 arc(55.74,26.23) 55.71,26.29 55.71,26.34 55.91,26.54 U16.31
EXT_ETH4_P: length 104.8
  In7.Cu w0.1: v1(141.46,25.51) 141.28,25.69 141.15,25.69 140.24,24.78 138.44,24.78 138.11,25.1 136.83,25.1 134.44,27.49 94.61,27.49 94.05,26.92 78.95,26.92 78.12,26.1 77.54,26.1 arc(77.4,26.04) 77.34,25.9 77.34,25.49 arc(77.19,25.14) 76.84,24.99 arc(76.49,25.14) 76.34,25.49 76.34,27.01 arc(76.28,27.15) 76.14,27.21 arc(76,27.15) 75.94,27.01 75.94,25.49 arc(75.79,25.14) 75.44,24.99 arc(75.09,25.14) 74.94,25.49 74.94,27.01 arc(74.88,27.15) 74.74,27.21 arc(74.6,27.15) 74.54,27.01 74.54,25.49 arc(74.39,25.14) 74.04,24.99 arc(73.69,25.14) 73.54,25.49 73.54,27.01 arc(73.48,27.15) 73.34,27.21 arc(73.2,27.15) 73.14,27.01 73.14,26.6 arc(72.99,26.25) 72.64,26.1 71.88,26.1 71.06,26.92 68.22,26.92 65.85,24.55 58.71,24.55 58.26,24.1 56.08,24.1 55.88,24.3 v1(55.6,24.3)
  Bottom w0.1: v1(55.6,24.3) 55.6,24.58 55.2,24.98 55.2,25.6 55.41,25.82 U16.32 ; v1(141.46,25.51) 141.64,25.69 142.02,25.69 142.09,25.62 J5.G12
EXT_LED_LINK: length 102
  In7.Cu w0.15: v1(65.65,16.33) 67.76,16.33 68.89,15.2 73.72,15.2 74.22,15.7 76.55,15.7 77.05,15.2 85.94,15.2 90.34,19.6 92.06,19.6 93.62,21.16 95.46,21.16 96.88,22.58 130.15,22.58 134.62,18.1 138.7,18.1 139.4,17.4 140.97,17.4 v1(141.46,17.89)
  Bottom w0.1: 142.09,17.58 142.09,18 142.02,18.07 141.64,18.07 v1(141.46,17.89)
  Bottom w0.15: v1(65.65,16.33) 66.05,16.72 66.05,23.22 59.49,29.78 59.49,30.2 59.35,30.34 58.61,30.34 58.35,30.08 U16.23
